# Altium PCB FMC_SDR.PcbDoc (part 1 of 4) (continued)
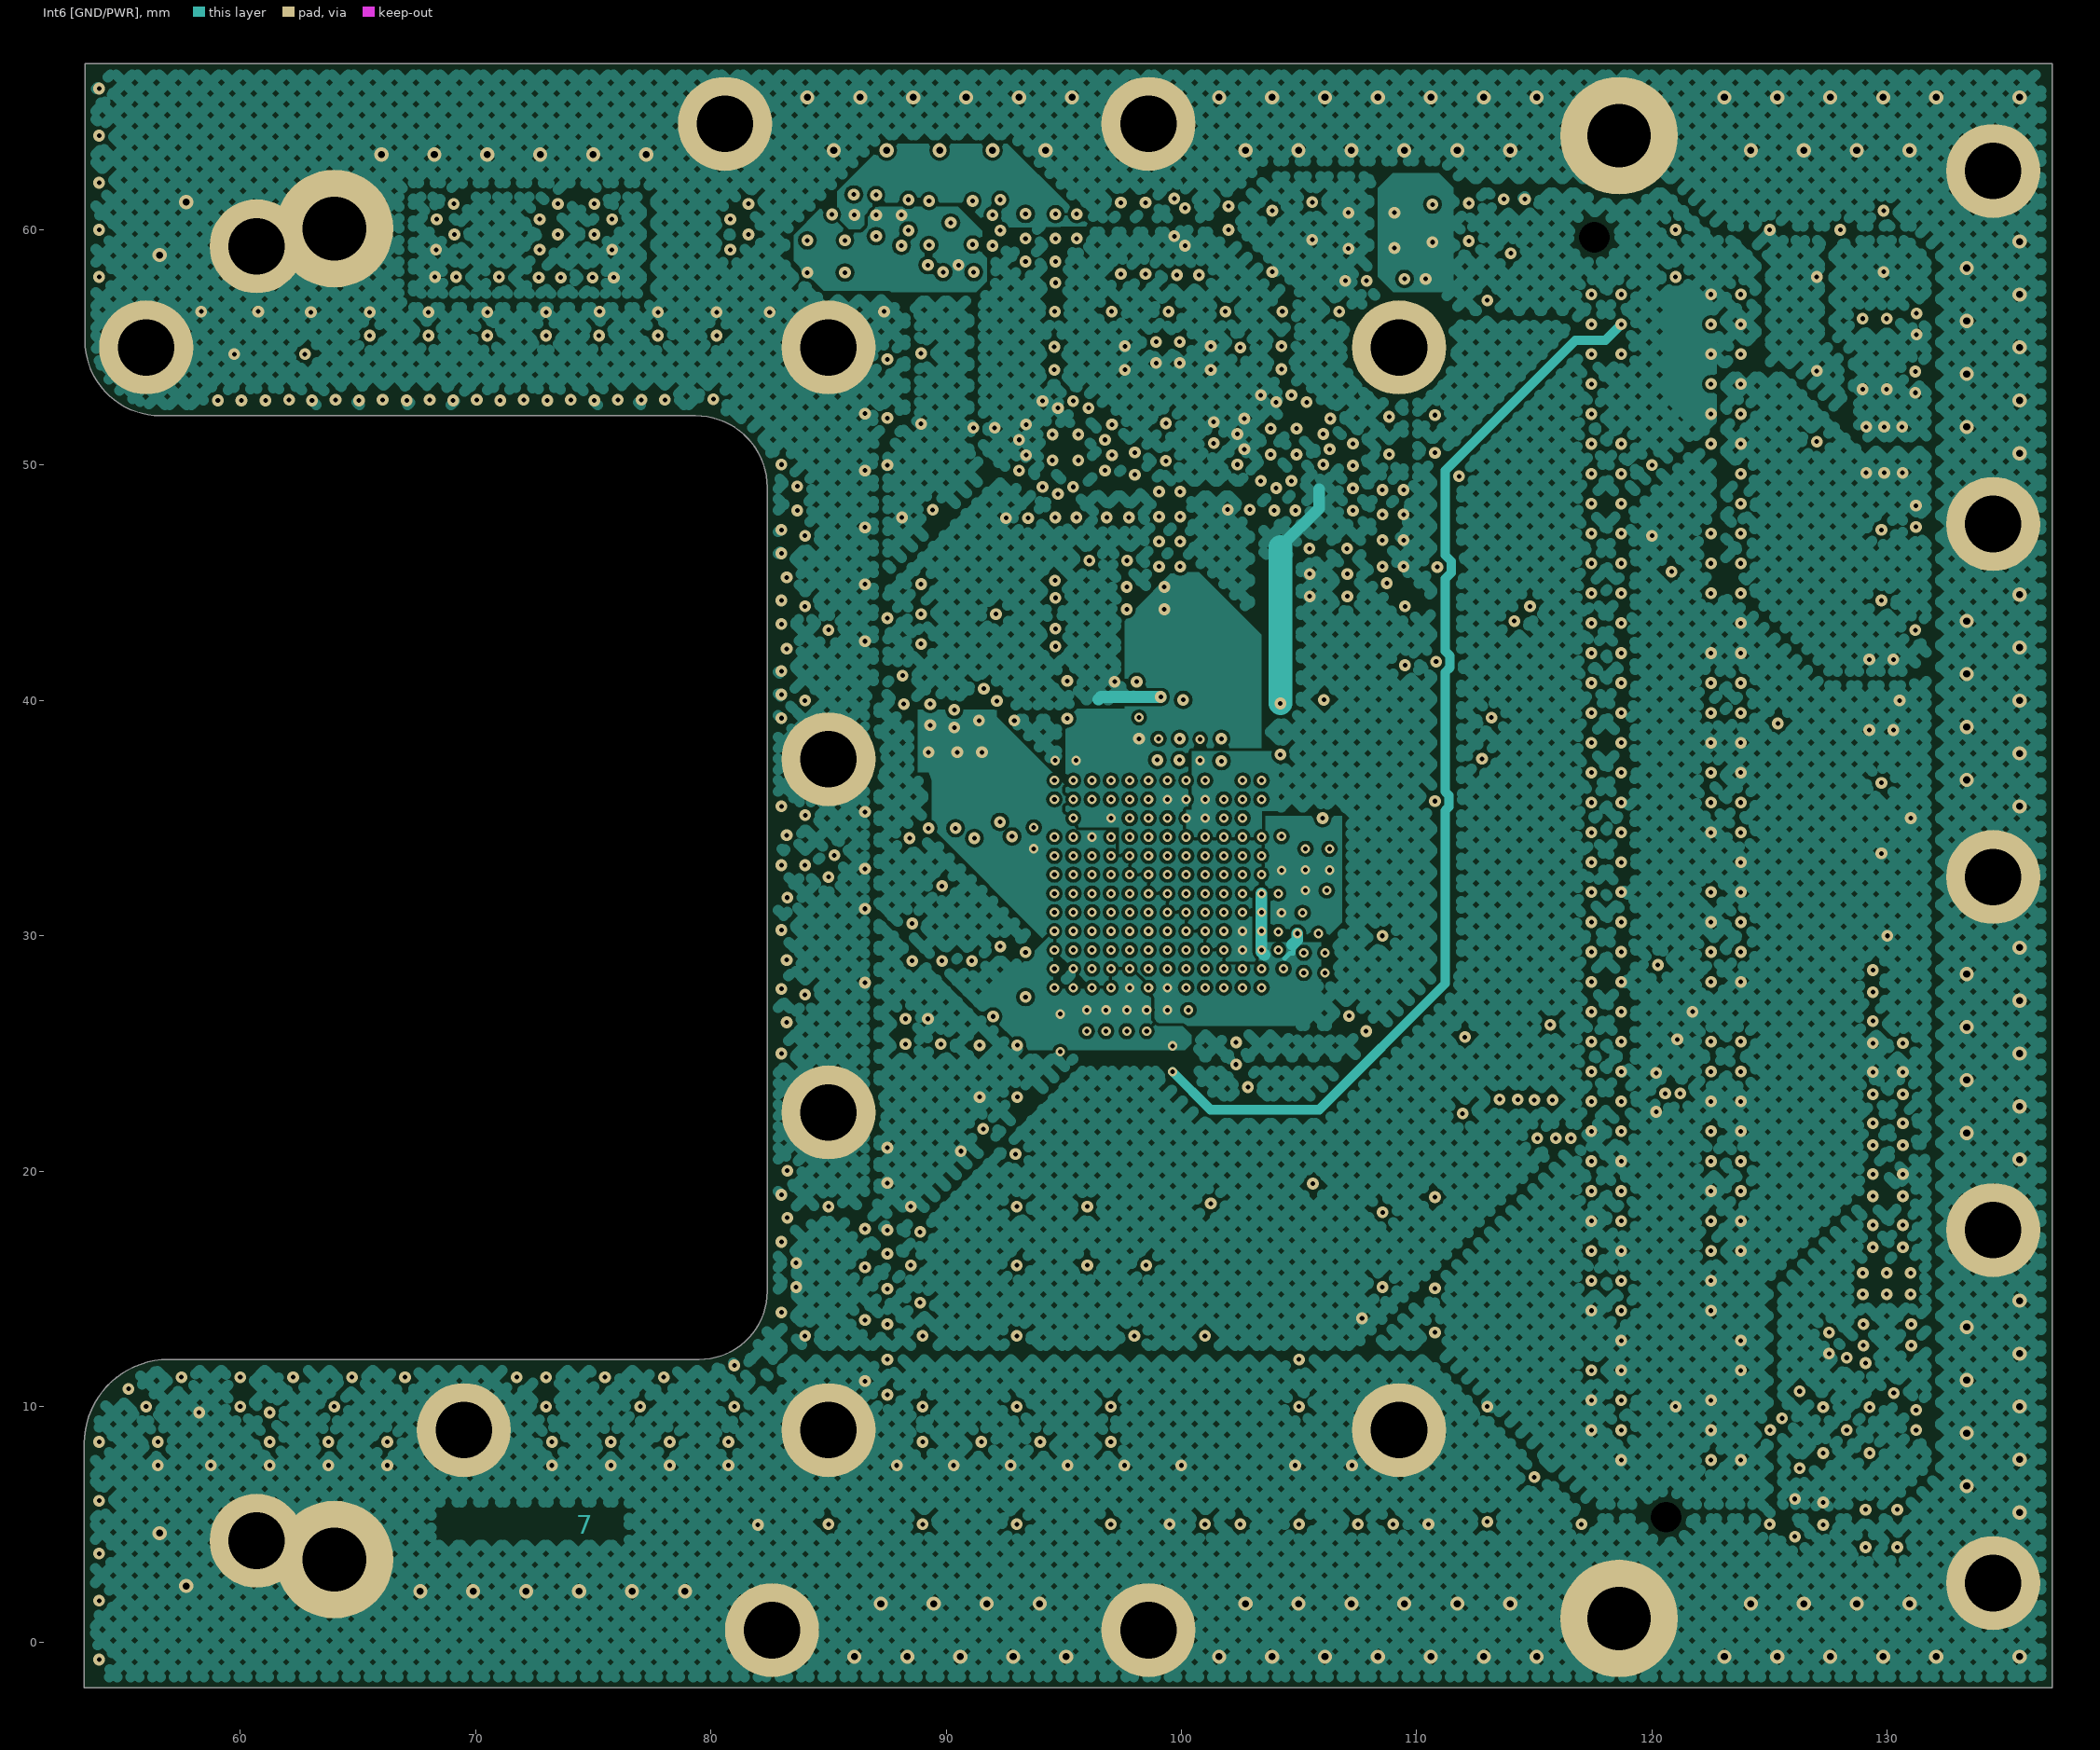
[diagram p7: Int6 [GND/PWR]]

## Layer stack, top to bottom
Top Solder: solder mask 0.0254, SM-001, Dk 4
Top: signal copper 0.035
Dielectric 1: prepreg 0.1344, FR408HR, Dk 3.32
Int1 [signals]: signal copper 0.035
Dielectric 2: core 0.254, FR408HR, Dk 3.68
Int2 [GND]: signal copper 0.035
Dielectric 3: prepreg 0.134, FR408HR, Dk 3.32
Int3 [high speed]: signal copper 0.035
Dielectric 4: core 0.254, FR408, Dk 3.68
Int4 [high speed]: signal copper 0.035
Dielectric 6: prepreg 0.134, FR408HR, Dk 3.32
Int5 [GND/PWR]: signal copper 0.035
Dielectric 7: core 0.254, FR408HR, Dk 3.68
Int6 [GND/PWR]: signal copper 0.035
Dielectric 8: prepreg 0.1344, FR408HR, Dk 3.32
Bottom: signal copper 0.035
Bottom Solder: solder mask 0.0254, SM-001, Dk 4

## Board outline
53.375,-1.95 53.375,8.425 cw(c56.95,8.425) 56.95,12 79.5,12 ccw(c79.5,14.9) 82.4,14.9 82.4,49.05 ccw(c79.35,49.05) 79.35,52.1 56.608,52.1 cw(c56.608,55.309) 53.4,55.309 53.4,67.05 137,67.05 137,-1.95

## Design rules (kind name [scope] priority, off if disabled: settings)
BoardOutlineClearance BoardOutlineClearance_solder [(OnLayer('Top Solder') OR OnLayer('Bottom Solder'))] p1: gap=0 ignorepadtopadclearanceinfootprint=FALSE
BoardOutlineClearance BoardOutlineClearence_component_pad [IsPad] p2: gap=0.15 ignorepadtopadclearanceinfootprint=FALSE
BoardOutlineClearance [All] p3: gap=0.2 ignorepadtopadclearanceinfootprint=FALSE
Clearance Clearance_2 [not IsKeepOut vs InNamedPolygon('balancingT')] p1: gap=1 ignorepadtopadclearanceinfootprint=TRUE except(0: Arc-Hole Track-Hole SMDPad-Hole THPad-Hole Via-Hole Fill-Hole Poly-Hole Region-Hole Text-Hole)
Clearance Clearance_1 [InNamedPolygon('balancingT') vs IsKeepOut] p2: gap=0 ignorepadtopadclearanceinfootprint=TRUE
Clearance Clearance_50R_via [InNetClass('50R_class') and IsVia vs IsTrack] p3: gap=0.14 ignorepadtopadclearanceinfootprint=TRUE except(0: Arc-Text Arc-Hole Track-Text Track-Hole SMDPad-Text SMDPad-Hole THPad-Text THPad-Hole Via-Text Via-Hole Fill-Text Fill-Hole Poly-Text Poly-Hole Region-Text Region-Hole Text-Text Text-Hole; 0.15: SMDPad-SMDPad SMDPad-THPad SMDPad-Via SMDPad-Fill SMDPad-Poly SMDPad-Region; 0.203: THPad-THPad THPad-Via THPad-Fill THPad-Poly THPad-Region)
Clearance Clearance_Diff [(InDifferentialPairClass('All Differential Pairs'))] p4: gap=0.14 ignorepadtopadclearanceinfootprint=TRUE except(0: Arc-Text Arc-Hole Track-Text Track-Hole SMDPad-Text SMDPad-Hole THPad-Text THPad-Hole Via-Text Via-Hole Fill-Text Fill-Hole Poly-Text Poly-Hole Region-Text Region-Hole Text-Text Text-Hole; 0.203: THPad-THPad THPad-Via THPad-Fill THPad-Poly THPad-Region; 0.4: Arc-Fill Arc-Poly Arc-Region Track-Fill Track-Poly Track-Region)
Clearance Clearance_50R_EXTt [InComponentClass('RF_50R')] p5: gap=0.5 ignorepadtopadclearanceinfootprint=FALSE except(0: Arc-Text Arc-Hole Track-Text Track-Hole SMDPad-Text SMDPad-Hole THPad-Text THPad-Hole Via-Text Via-Hole Fill-Text Fill-Hole Poly-Text Poly-Hole Region-Text Region-Hole Text-Text Text-Hole; 0.15: SMDPad-SMDPad SMDPad-THPad SMDPad-Via Fill-Fill Fill-Poly Fill-Region Poly-Poly Poly-Region Region-Region; 0.203: THPad-THPad THPad-Via Via-Via Via-Fill Via-Poly Via-Region) // for the layers where 50 track is thinner than 0.2mm
Clearance Clearance_50R_INT [InNetClass('50R_class') vs (OnLayer('Int2') OR OnLayer('Int3'))] p6: gap=1 ignorepadtopadclearanceinfootprint=FALSE except(0: Arc-Text Arc-Hole Track-Text Track-Hole SMDPad-Text SMDPad-Hole THPad-Text THPad-Hole Via-Text Via-Hole Fill-Text Fill-Hole Poly-Text Poly-Hole Region-Text Region-Hole Text-Text Text-Hole; 0.15: SMDPad-SMDPad SMDPad-THPad SMDPad-Via SMDPad-Fill SMDPad-Poly SMDPad-Region Fill-Fill Fill-Poly Fill-Region Poly-Poly Poly-Region Region-Region; 0.203: THPad-THPad THPad-Via THPad-Fill THPad-Poly THPad-Region Via-Via Via-Fill Via-Poly Via-Region)
Clearance Clearance_50R_EXT [InNetClass('50R_class')] p7: gap=0.5 ignorepadtopadclearanceinfootprint=FALSE except(0: Arc-Text Arc-Hole Track-Text Track-Hole SMDPad-Text SMDPad-Hole THPad-Text THPad-Hole Via-Text Via-Hole Fill-Text Fill-Hole Poly-Text Poly-Hole Region-Text Region-Hole Text-Text Text-Hole; 0.14: SMDPad-SMDPad SMDPad-THPad SMDPad-Via SMDPad-Fill SMDPad-Poly SMDPad-Region Via-Via Via-Fill Via-Poly Via-Region Fill-Fill Fill-Poly Fill-Region Poly-Poly Poly-Region Region-Region; 0.203: THPad-THPad THPad-Via THPad-Fill THPad-Poly THPad-Region) // for the layers where 50 track is thinner than 0.2mm
Clearance [All] p8: gap=0.14 ignorepadtopadclearanceinfootprint=TRUE except(0: Arc-Text Arc-Hole Track-Text Track-Hole SMDPad-Text SMDPad-Hole THPad-Text THPad-Hole Via-Text Via-Hole Fill-Text Fill-Hole Poly-Text Poly-Hole Region-Text Region-Hole Text-Text Text-Hole; 0.15: SMDPad-SMDPad SMDPad-THPad SMDPad-Via SMDPad-Fill SMDPad-Poly SMDPad-Region; 0.203: THPad-THPad THPad-Via THPad-Fill THPad-Poly THPad-Region)
ComponentClearance ComponentClearance_holes [InComponentClass('holes')] p1: gap=0 collisioncheckmode=3 verticalgap=2540 showdistances=FALSE
ComponentClearance [All] p2: gap=0.2 collisioncheckmode=3 verticalgap=1 showdistances=FALSE
DiffPairsRouting [All] p1: maxlimit=0.2 minlimit=0.2 mostfreqgap=0.2 toplayer_minwidth=0.18 toplayer_maxwidth=0.18 toplayer_prefwidth=0.18 midlayer1_minwidth=0.12 midlayer1_maxwidth=0.12 midlayer1_prefwidth=0.12 midlayer2_minwidth=0.12 midlayer2_maxwidth=0.12 midlayer2_prefwidth=0.12 midlayer3_minwidth=0.12 midlayer3_maxwidth=0.12 midlayer3_prefwidth=0.12 midlayer4_minwidth=0.12 midlayer4_maxwidth=0.12 midlayer4_prefwidth=0.12 midlayer5_minwidth=0.12 midlayer5_maxwidth=0.12 midlayer5_prefwidth=0.12 midlayer6_minwidth=0.12 midlayer6_maxwidth=0.12 midlayer6_prefwidth=0.12 bottomlayer_minwidth=0.18 bottomlayer_maxwidth=0.18 bottomlayer_prefwidth=0.18 impedanceprofiledriven=TRUE impedanceprofileid={9CB9270D-14C6-4A32-9787-64FF46EAB44B} maxuncoupledlength=17
FanoutControl Fanout_BGA [IsBGA] p1: bgadir=Out bgaviamode=Centered fanoutstyle=UnderPads fanoutdirection=None viagrid=0.025 // Fanout_BGA (Default Rule)
FanoutControl Fanout_Default [All] p5: bgadir=Out bgaviamode=Centered fanoutstyle=UnderPads fanoutdirection=Alternating viagrid=0.025 // Fanout_Default (Default Rule)
HoleSize [All] p1: absolutevalues=TRUE maxlimit=10 minlimit=0.025 maxpercent=80.000 minpercent=20.000
HoleToHoleClearance [All] p1: gap=0.2 allowstackedmicrovias=TRUE
MatchedLengths MatchedLengths_betweenPairs_TX [InDifferentialPairClass('9364_digital_TX')] p1: tolerance=3 checknetsindiffpair=FALSE checkdiffpairvsdiffpair=TRUE checkxsignals=TRUE checkothers=TRUE
MatchedLengths MatchedLengths_betweenPairs_Rx [InDifferentialPairClass('9364_digital_RX')] p2: tolerance=3 checknetsindiffpair=FALSE checkdiffpairvsdiffpair=TRUE checkxsignals=TRUE checkothers=TRUE
MatchedLengths MatchedLengths_inPairs [All] p3: tolerance=0.5 checknetsindiffpair=TRUE checkdiffpairvsdiffpair=FALSE checkxsignals=FALSE checkothers=FALSE
MatchedLengths MatchedLengths_SPI9364 [InNetClass('9364_SPI')] p4: tolerance=3 checknetsindiffpair=FALSE checkdiffpairvsdiffpair=TRUE checkxsignals=TRUE checkothers=TRUE
MatchedLengths MatchedLengths_FE_SPI [InNetClass('FE_SPI')] p5: tolerance=3 checknetsindiffpair=FALSE checkdiffpairvsdiffpair=TRUE checkxsignals=TRUE checkothers=TRUE
MinimumAnnularRing [All] p1: minimumring=0.1
MinimumSolderMaskSliver [All] p1: minsoldermaskwidth=0
PolygonConnect [All] p1: connectstyle=Direct reliefconductorwidth=0.3 reliefentries=4 polygonreliefangle="90 Angle" airgapwidth=0.2
RoutingVias RoutingVias_BGA1 [WithinRoom('BGA1')] p1: holewidth=0.15 width=0.4 viastyle="Through Hole" minholewidth=0.15 minwidth=0.4 maxholewidth=8 maxwidth=10
RoutingVias [All] p2: holewidth=0.2 width=0.5 viastyle="Through Hole" minholewidth=0.2 minwidth=0.5 maxholewidth=8 maxwidth=10
SilkToSilkClearance [All] p1: silktosilkclearance=0
SilkToSolderMaskClearance [IsPad] p1: minsilkscreentomaskgap=0 clearancetoexposedcopper=TRUE
SolderMaskExpansion SolderMaskExpansion_1 [InNet('SH')] p1: expansion=0.1
SolderMaskExpansion [All] p2: expansion=0.102
ViasUnderSMD [All] p1: allowed=TRUE
Width Width_BGA1 [WithinRoom('BGA1')] p1: maxlimit=10 minlimit=0.15 preferedwidth=0.2
Width Width_50R [InNetClass('50R_class')] p2: maxlimit=0.38 minlimit=0.12 preferedwidth=0.17 toplayer_minwidth=0.24 toplayer_maxwidth=0.24 toplayer_prefwidth=0.24 midlayer1_maxwidth=0.17 midlayer2_maxwidth=0.17 midlayer3_prefwidth=0.38 midlayer4_maxwidth=0.17 midlayer5_maxwidth=0.17 midlayer6_prefwidth=0.38 bottomlayer_minwidth=0.24 bottomlayer_maxwidth=0.24 bottomlayer_prefwidth=0.24 impedanceprofiledriven=TRUE impedanceprofileid={5DDCE60E-FD23-4A6C-9731-A956DB1D6F4F} minimp=50.000000 maximp=50.000000 favimp=50.000000
Width Width_midPower [InNetClass('midPower')] p3: maxlimit=10 minlimit=0.2 preferedwidth=0.5
Width Width_highPower [InNetClass('highPower')] p4: maxlimit=10 minlimit=0.2 preferedwidth=1.5
Width [All] p5: maxlimit=10 minlimit=0.11 preferedwidth=0.2
21 further rules are at their usual default settings.

## Classes and differential pairs
net class 9364_SPI: 9364_SPI_DI 9364_SPI_DO 9364_SPI_ENB
net class FE_SPI: FE_SPI_CE FE_SPI_CLK FE_SPI_DATA FE_SPI_LE
differential pair class 9364_digital_TX: 9364_FB_CLK 9364_TX_D0 9364_TX_D1 9364_TX_D2 9364_TX_D3 9364_TX_D4 9364_TX_D5 9364_TX_FRAME
differential pair class 9364_digital_RX: 9364_DATA_CLK 9364_RX_D0 9364_RX_D1 9364_RX_D2 9364_RX_D3 9364_RX_D4 9364_RX_D5 9364_RX_FRAME
component class GNDCPL: C14 C16 C20 C84 C85 C92 C99 C101 C102 C130 C131 C132 C133 C134 C136 C137 C138 C139 C140 C142 C143 C144 C145 C146 C147 C148 C149 C150 C151 C152 C153 C154 C155 C156 C158 C160 C162 C198 C199 C204 C205 C206 C207 C208 C209 C210 C211 C212 C213 C214 C215 C216 C217
net class 50R_class: NetBSC1_1 NetBSC2_1 NetBSC3_1 NetBSC5_1 RX_EXT_LO TX_EXT_LO
component class U_Transceiver: C7 C8 C9 C11 C12 C13 C17 C18 C93 C94 C125 C126 IC6 L2 L3 Q1 R5 R6 R7 R8 R9 R10 R11 R35 R36 TR5 TR6
component class FMC_SDR_top: B1 B2 B6 B7 B12 B14 B19 B23 B24 B25 B26 B27 B32 B33 B37 B38 B39 B40 B41 B42 B43 B44 B45 BSC1 BSC2 BSC3 BSC4 BSC5 BSC7 BSC8 BSC9 BSC10 BSC11 BSC12 BSC13 BSC14 BSC15 BSC16 BSC17 BSC18 BSC19 BSC20 BSC21
component class U_power_supplies: C2 C24 C25 C26 C27 C28 C29 C30 C31 C32 C33 C34 C35 C36 C37 C38 C39 C40 C41 C42 C43 C44 C45 C46 C47 C48 C49 C50 C51 C52 C53 C54 C55 C56 C57 C58 C59 C60 C61 C62 C63 C64 C65 C66 C68 C69 C70 C71 C72 C73 C74 C75 C76 C77 C78 C79 C80 C81 C82 C83 C86 C87 C88 C89 C91 C95 C96 C97 C98 IC4 L1 L6 L7 L8 L9 L10 R21 R22 R23 R24 R25 R26 R27 R28 R29 R30 R31 R32 R33 R34 U1 U2
component class U_ipmi: C1 C3 C4 C5 C6 C10 C15 C19 C21 C22 C23 IC1 IC2 IC3 R1 R3 R4 R12 R13 R15 R16 R17 R18 R19 R20
component class U_fmc_connector: J2 R2
differential pair TXB: +TXB_P -TXB_N
differential pair TXA: +TXA_P -TXA_N
differential pair RXB: +RXB_P -RXB_N
differential pair RXA: +RXA_P -RXA_N
differential pair 9364_FB_CLK: +9364_FB_CLK_P -9364_FB_CLK_N
differential pair 9364_TX_FRAME: +9364_TX_FRAME_P -9364_TX_FRAME_N
differential pair 9364_TX_D5: +9364_TX_D5_P -9364_TX_D5_N
differential pair 9364_TX_D4: +9364_TX_D4_P -9364_TX_D4_N
differential pair 9364_TX_D3: +9364_TX_D3_P -9364_TX_D3_N
differential pair 9364_TX_D2: +9364_TX_D2_P -9364_TX_D2_N
differential pair 9364_TX_D1: +9364_TX_D1_P -9364_TX_D1_N
differential pair 9364_TX_D0: +9364_TX_D0_P -9364_TX_D0_N
differential pair 9364_RX_FRAME: +9364_RX_FRAME_P -9364_RX_FRAME_N
differential pair 9364_RX_D5: +9364_RX_D5_P -9364_RX_D5_N
differential pair 9364_RX_D4: +9364_RX_D4_P -9364_RX_D4_N
differential pair 9364_RX_D3: +9364_RX_D3_P -9364_RX_D3_N
differential pair 9364_RX_D2: +9364_RX_D2_P -9364_RX_D2_N
differential pair 9364_RX_D1: +9364_RX_D1_P -9364_RX_D1_N
differential pair 9364_RX_D0: +9364_RX_D0_P -9364_RX_D0_N
differential pair 9364_DATA_CLK: +9364_DATA_CLK_P -9364_DATA_CLK_N

## Components (designator, comment, footprint, x,y, rotation, side; value= is the part's Value field where it differs from the comment)
B1 "Plated Hole" MTG240_400#1 109.2,55 r0 top
B2 "Plated Hole" MTG240_400#1 109.2,9 r0 top
B6 "Plated Hole" MTG240_400#2 85,37.5 r0 top
B7 "Plated Hole" MTG240_400#3 92,55 r0 top
B12 "Plated Hole" MTG240_400#2 85,22.5 r0 top
B14 "Plated Hole" MTG240_400#2 85,9 r0 top
B19 "Plated Hole" MTG270_500 64,3.5 r0 top
B23 "Plated Hole" MTG270_500 64,60.05 r0 top
B24 "Plated Hole" MTG270_500 118.6,64 r0 top
B25 "Plated Hole" MTG270_500 118.6,1 r0 top
B26 "Plated Hole" MTG240_400#2 69.5,9 r0 top
B27 "Plated Hole" MTG240_400#4 56.1,55 r0 top
B32 "Plated Hole" MTG240_400#2 60.7,4.3 r0 top
B33 "Plated Hole" MTG240_400#2 60.7,59.3 r0 top
B37 "Plated Hole" MTG240_400#2 82.6,0.5 r0 top
B38 "Plated Hole" MTG240_400#2 98.6,0.5 r0 top
B39 "Plated Hole" MTG240_400#2 134.5,2.5 r0 top
B40 "Plated Hole" MTG240_400#2 134.5,32.5 r0 top
B41 "Plated Hole" MTG240_400#2 134.5,17.5 r0 top
B42 "Plated Hole" MTG240_400#2 134.5,47.5 r0 top
B43 "Plated Hole" MTG240_400#2 134.5,62.5 r0 top
B44 "Plated Hole" MTG240_400#2 98.6,64.5 r0 top
B45 "Plated Hole" MTG240_400#2 80.6,64.5 r0 top
BSC1 "0603 Female" PCB_CONN_0603F#1 83.225,28.982 r180 top
BSC2 "0603 Female" PCB_CONN_0603F#2 83.225,42.21 r180 top
BSC3 "0603 Female" PCB_CONN_0603F#2 83.225,26.335 r180 top
BSC4 "0603 Female" PCB_CONN_0603F#2 83.225,20.035 r180 top
BSC5 "0603 Female" PCB_CONN_0603F#2 83.225,45.235 r180 top
BSC7 "0603 Female" PCB_CONN_0603F#2 83.225,34.275 r180 top
BSC8 "0603 Female" PCB_CONN_0603F#2 62.075,52.775 r270 top locked
BSC9 "0603 Female" PCB_CONN_0603F#2 83.225,31.628 r180 top
BSC10 "0603 Female" PCB_CONN_0603F#2 64.05,52.775 r270 top locked
BSC11 "0603 Female" PCB_CONN_0603F#2 66.05,52.775 r270 top locked
BSC12 "0603 Female" PCB_CONN_0603F#2 76.05,52.775 r270 top locked
BSC13 "0603 Female" PCB_CONN_0603F#2 60.05,52.75 r270 top locked
BSC14 "0603 Female" PCB_CONN_0603F#2 78.05,52.775 r270 top locked
BSC15 "0603 Female" PCB_CONN_0603F#2 72.05,52.775 r270 top locked
BSC16 "0603 Female" PCB_CONN_0603F#2 83.225,18.035 r180 top
BSC17 "0603 Female" PCB_CONN_0603F#2 74.05,52.775 r270 top locked
BSC18 "1206 Female" PCB_CONN_1206F#1 83.325,48.585 r180 top locked
BSC19 "1206 Female" PCB_CONN_1206F#2 83.275,15.585 r180 top locked
BSC20 "0603 Female" PCB_CONN_0603F#2 70.05,52.775 r270 top locked
BSC21 "0603 Female" PCB_CONN_0603F#2 68.05,52.775 r270 top locked
C1 "100nF" CAPC1005X55N 68.725,58 r180 top
C2 "1uF" CAPC1005X55N 106.291,33.243 r270 bottom
C3 "100nF" CAPC1005X55N 75.425,57.975 r0 top
C4 "10uF" CAPC1608X87N 130.425,4.825 r90 top
C5 "1nF" CAPC1005X55N 128.959,15.225 r270 top
C6 "10uF" CAPC1608X87N 126.075,5.275 r90 bottom
C7 "1nF" CAPC0603X33N 102.6,28.2 r90 bottom
C8 "1nF" CAPC1005X55N 93.375,31.675 r270 top
C9 "100pF" CAPC1005X55N 94.2,43.05 r0 top
C10 "1uF" CAPC1608X87N 129.075,4.825 r90 top
C11 "1uF" CAPC1005X55N 99.475,38.375 r0 bottom
C12 "1nF" CAPC0603X33N 98.2,35 r0 bottom
C13 "100pF" CAPC1005X55N 94.2,44.362 r0 top
C14 "1uF" CAPC3216X140N 83.5,4.975 r180 top
C15 "100nF" CAPC1005X55N 127.275,5.475 r90 bottom
C16 "1uF" CAPC3216X140N 109,5 r0 top
C17 "1nF" CAPC1005X55N 89.325,39.4 r270 top
C18 "10uF" CAPC1608X80N 92.15,39.15 r180 top
C19 "1nF" CAPC1005X55N 128.984,13.048 r270 top
C20 "1uF" CAPC3216X140N 129.75,35 r90 top
C21 "1nF" CAPC1005X55N 129.975,15.225 r270 top
C22 "1nF" CAPC1005X55N 131.016,13.048 r270 top
C23 "1nF" CAPC1005X55N 130.991,15.225 r270 top
C24 "10nF" CAPC1005X55N 105.725,31.925 r180 bottom
C25 "100nF" CAPC1005X55N 105.275,33.25 r270 bottom
C26 "10nF" CAPC0603X33N 102.2,31 r0 bottom
C27 "1uF" CAPC1005X55N 104.7,30.975 r180 bottom
C28 "10uF" CAPC1608X87N 112.225,60.3 r270 top
C29 "100nF" CAPC1005X55N 114.15,61.3 r180 top
C30 "10uF" CAPC1608X87N 94.85,25.875 r90 bottom
C31 "100nF" CAPC1005X55N 96.8,26.4 r90 bottom
C32 "10nF" CAPC1005X55N 98.525,26.4 r90 bottom
C33 "1uF" CAPC1005X55N 97.675,26.4 r90 bottom
C34 "10nF" CAPC0603X33N 98.2,27.8 r180 bottom
C35 "1uF" CAPC1005X55N 95.975,26.4 r90 bottom
C36 "1uF" CAPC1005X55N 87.025,60.175 r90 bottom
C37 "100nF" CAPC1005X55N 109.931,57.912 r0 top
C38 "10uF" CAPC1608X87N 110.668,60.274 r270 top
C39 "2.2uF" CAPMP3216X180N 103.861,59.512 r90 top
C40 "100nF" CAPC1005X55N 107.417,57.836 r180 top
C41 "10uF" CAPC1608X87N 105.562,60.376 r270 top
C42 "100nF" CAPC1005X55N 94.65,58.2 r90 bottom
C43 "47uF" CAPC3216X180N 97.95,59.625 r90 top
C44 "100nF" CAPC1005X55N 95.1,59.625 r0 bottom
C45 "100nF" CAPC1005X55N 95.1,60.666 r0 bottom
C46 "47uF" CAPC3216X180N 102.75,54.55 r180 top
C47 "47uF" CAPC3216X180N 96.096,54.549 r0 top
C48 "100nF" CAPC1005X55N 99.925,54.789 r270 top
C49 "100nF" CAPC1005X55N 98.925,54.789 r270 top
C50 "100nF" CAPC1005X55N 131.216,47.828 r90 top
C51 "22uF" CAPC3216X180N 129.75,40.25 r90 top
C52 "2.2uF" CAPMP3216X180N 129.845,59.512 r90 top
C53 "100nF" CAPC1005X55N 131.191,53.525 r270 top
C54 "22uF" CAPC3216X180N 129.464,54.713 r270 top
C55 "100nF" CAPC1005X55N 131.242,56 r270 top
C56 "100nF" CAPC1005X55N 91.611,51.587 r0 top
C57 "10uF" CAPC1608X87N 96.888,45.945 r0 top
C58 "10uF" CAPC1608X87N 99.339,50.978 r270 top
C59 "100nF" CAPC1005X55N 99.499,48.87 r180 top
C60 "100nF" CAPC1005X55N 99.499,46.753 r180 top
C61 "100nF" CAPC1005X55N 99.499,45.695 r180 top
C62 "100nF" CAPC1005X55N 99.499,47.811 r180 top
C63 "1uF" CAPC1005X55N 105.65,29.275 r180 bottom
C64 "10nF" CAPC0603X33N 102.2,30.2 r0 bottom
C65 "10nF" CAPC1005X55N 95.09,47.777 r0 top
C66 "1uF" CAPC1005X55N 95.09,38.325 r0 bottom
C68 "1uF" CAPC1005X55N 98.2,38.825 r270 bottom
C69 "10nF" CAPC0603X33N 99.403,36.25 r270 bottom
C70 "1uF" CAPC1005X55N 95.075,37.45 r0 bottom
C71 "10nF" CAPC0603X33N 97,35.4 r270 bottom
C72 "100nF" CAPC1005X55N 101.371,51.384 r90 top
C73 "10uF" CAPC1608X87N 108.831,51.257 r270 top
C74 "10uF" CAPC1608X87N 106.24,46.457 r0 top
C75 "100nF" CAPC1005X55N 108.991,46.812 r180 top
C76 "100nF" CAPC1005X55N 108.991,45.695 r180 top
C77 "100nF" CAPC1005X55N 108.991,48.946 r180 top
C78 "100nF" CAPC1005X55N 108.991,47.904 r180 top
C79 "1uF" CAPC1005X55N 93.725,34.153 r270 bottom
C80 "10nF" CAPC0603X33N 96.2,34.55 r270 bottom
C81 "10nF" CAPC1005X55N 104.4,48.075 r0 top
C82 "1uF" CAPC1005X55N 88.2,39.4 r270 top
C83 "10nF" CAPC0603X33N 90.35,39.225 r270 top
C84 "1nF" CAPC1005X55N 61.93,8.05 r270 bottom
C85 "100pF" CAPC1005X55N 65.25,8.05 r270 bottom
C86 "1uF" CAPC1005X55N 99.85,26.85 r180 bottom
C87 "10nF" CAPC0603X33N 99.4,28.225 r270 bottom
C88 "1uF" CAPC1005X55N 100.8,37.9 r270 bottom
C89 "10nF" CAPC0603X33N 101.003,36.15 r270 bottom
C91 "10nF" CAPC0603X33N 99.775,35 r0 bottom
C92 "1nF" CAPC1005X55N 58.61,8.05 r270 bottom
C93 "Undefined" CAPC1608X90N 89.025,25.4 r0 top
C94 "1uF" CAPC1005X55N 105.65,28.425 r180 bottom
C95 "1uF" CAPC1005X55N 105.375,30.1 r180 bottom
C96 "10nF" CAPC0603X33N 103.75,31.8 r180 bottom
C97 "10nF" CAPC0603X33N 103.75,29.4 r180 bottom
C98 "10nF" CAPC0603X33N 103.75,30.2 r180 bottom
C99 "100pF" CAPC1005X55N 81.765,8 r270 bottom
C101 "1nF" CAPC1005X55N 77.5,8 r270 bottom
C102 "100pF" CAPC1005X55N 73.235,8 r270 bottom
C125 "100pF" CAPC1005X55N 89.25,34.125 r90 top
C126 "100pF" CAPC1005X55N 90.4,34.125 r90 top
C130 "1nF" CAPC1005X55N 87.2,41.25 r180 bottom
C131 "100pF" CAPC1005X55N 93.25,8.05 r270 bottom
C132 "1uF" CAPC3216X140N 108.541,31.5 r90 top
C133 "1nF" CAPC1005X55N 110.258,52.125 r0 bottom
C134 "100pF" CAPC1005X55N 110.258,48.192 r0 bottom
C136 "1nF" CAPC1005X55N 110.258,36.395 r0 bottom